# KiCad board oresat-adcs-card.kicad_pcb (continued)
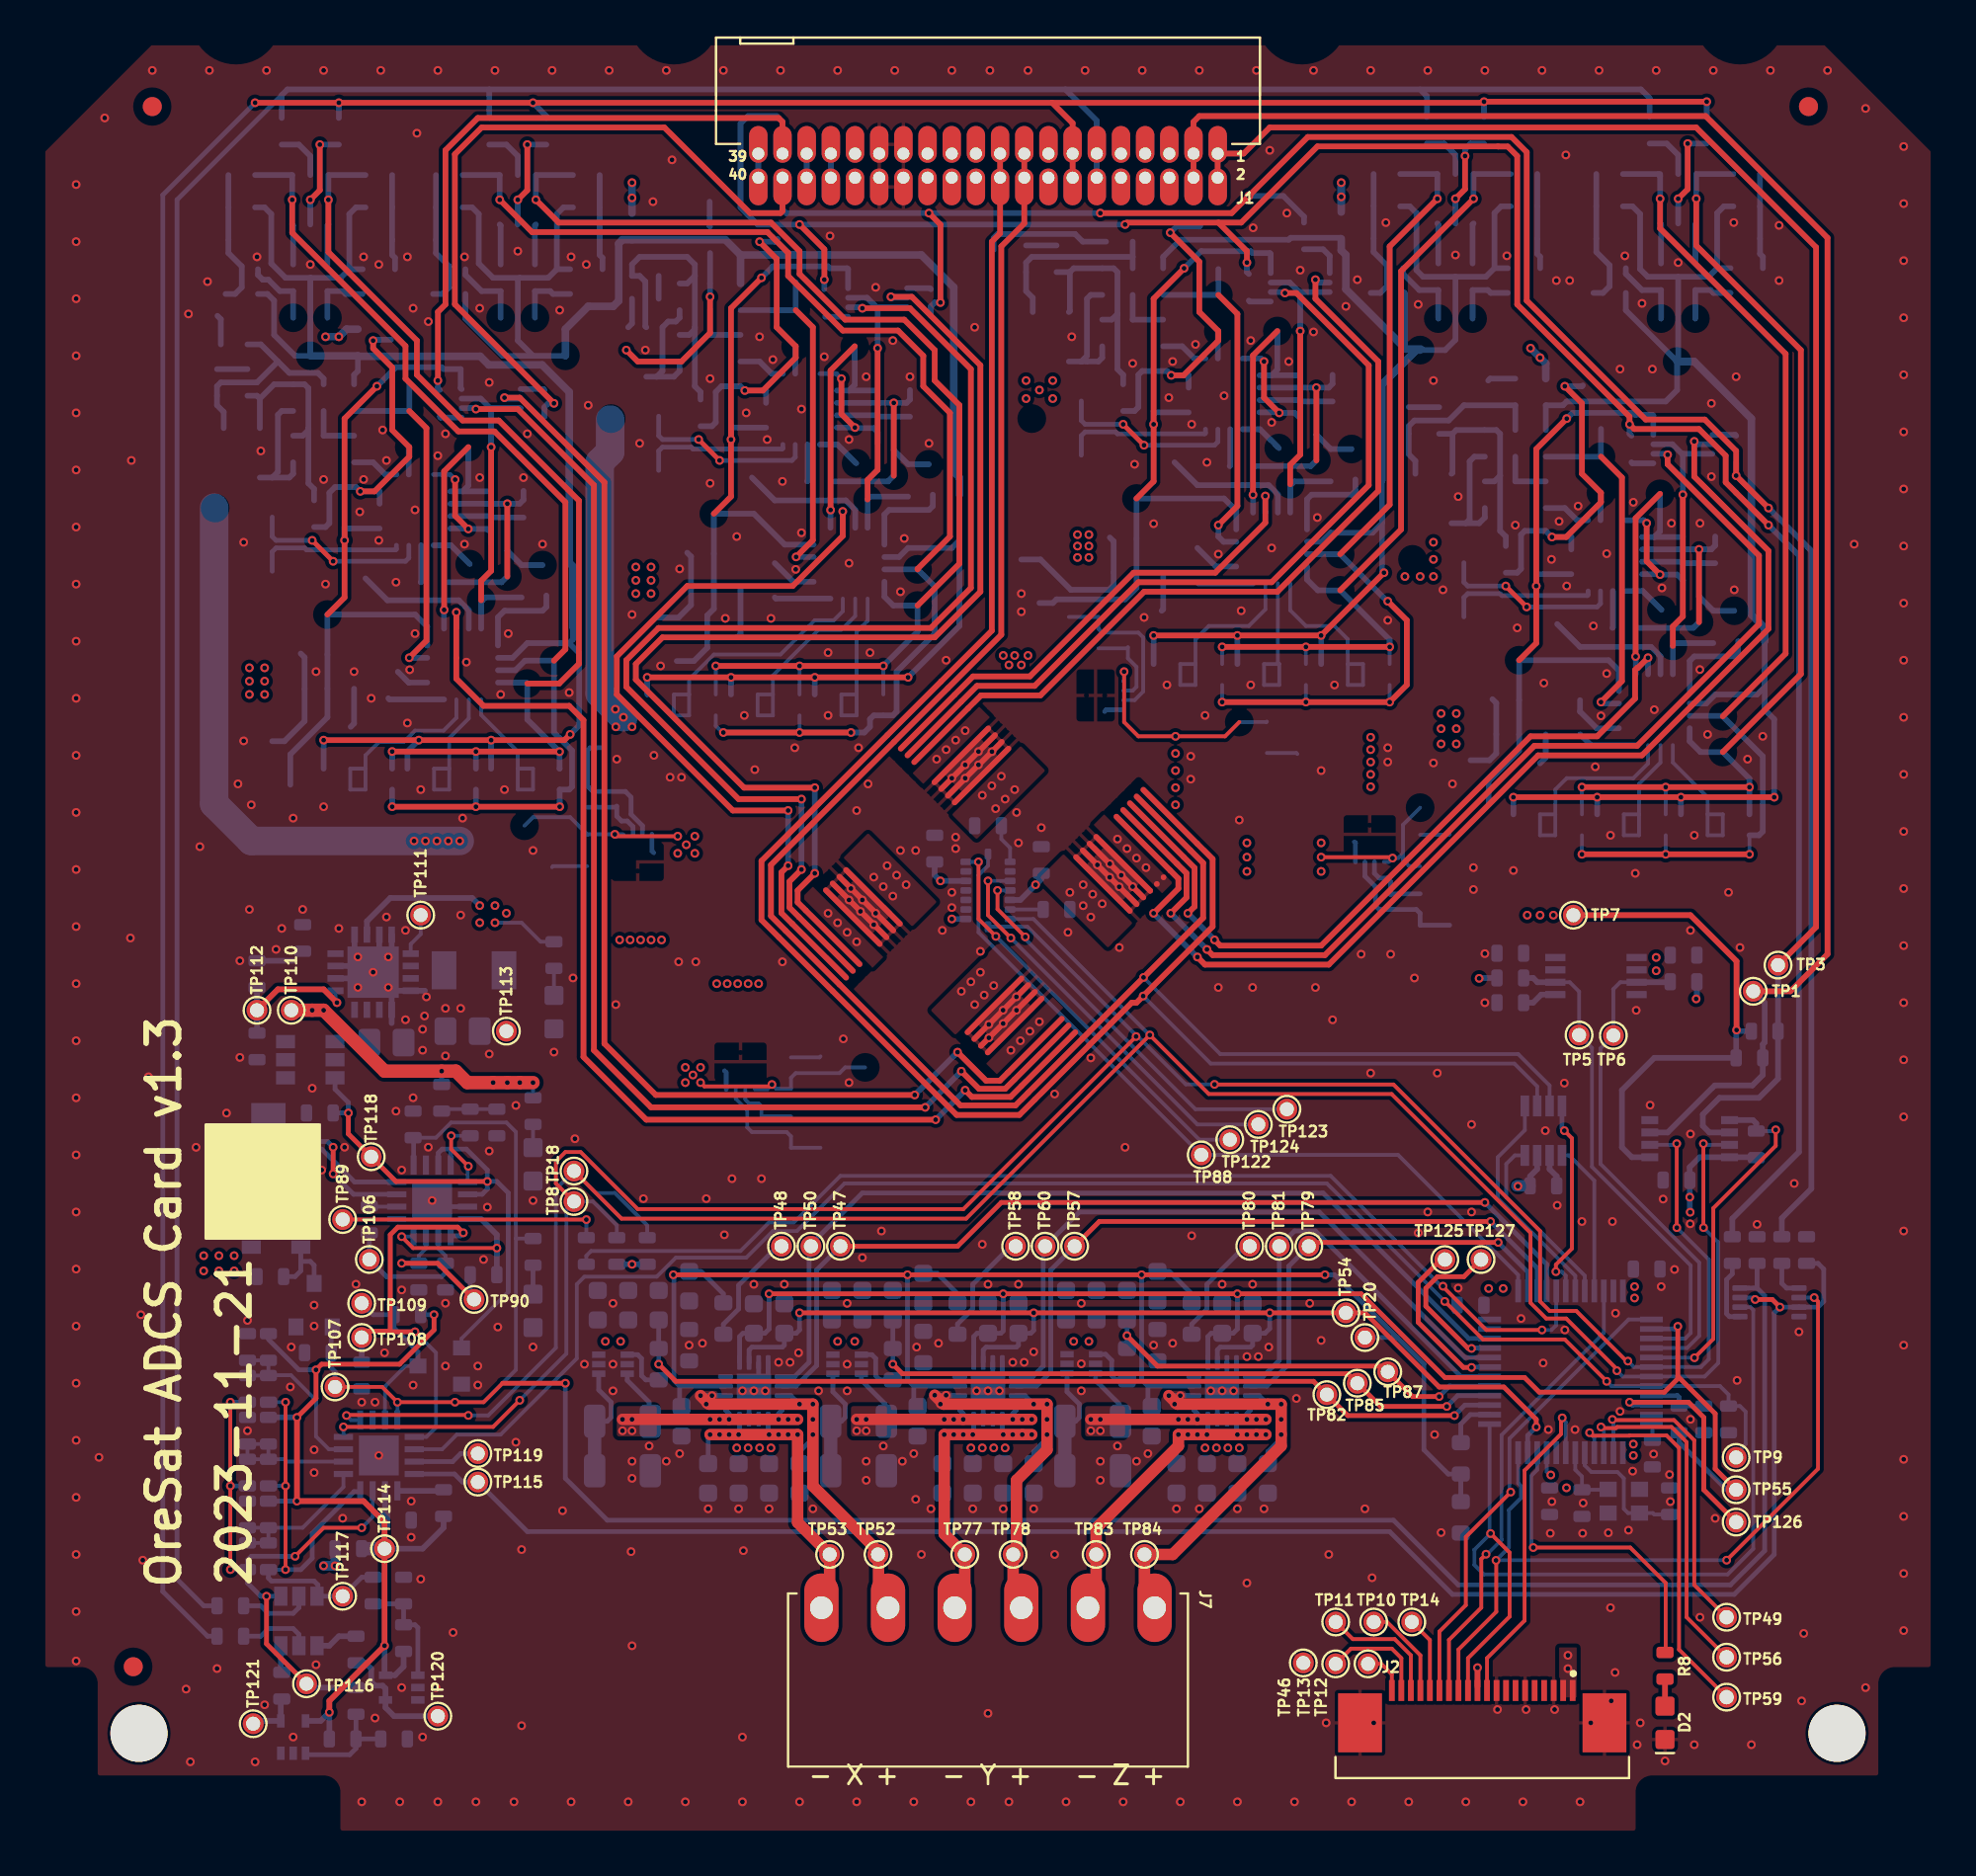
[diagram p0: board, top side]
## Routing (per net, layer and track width the routed paths; a pad name or vN(x,y) marks a point on that pad's centre or on a via; arc(x,y) is an arc through that point) (continued)
/Card Power Domain/AD0: length 9.3
  Bottom w0.2: R201.1 R204.1 R202.2 R203.2 R201.1 ; R201.1 13.9,16.3 16.04,18.44 U29.1
/Card Power Domain/AD1: length 7.8
  Bottom w0.2: R208.1 12.93,19.9 13.06,19.78 U29.2 ; R208.1 R206.2 R207.2 R205.1 R208.1
/Card Power Domain/AD2: length 10.5
  Bottom w0.2: U29.3 15.28,20.43 14.6,21.1 14.6,23 13.28,24.32 12.12,24.32 ; R212.1 R209.1 R211.2 R210.2 R212.1
  Bottom w0.25: 12.12,24.32 R212.1
/Card Power Domain/CB-RESET: length 21
  Top w0.25: 18.5,26.64 18.5,31.7 18.9,32.1 22.04,32.1 v1(22.34,31.8) ; 18.5,26.64 18.5,26.6 v1(19.8,26.6) ; 18.5,26.64 17.33,26.64 TP108.1
  Bottom w0.2: U29.9 20.4,21.08 20.9,21.58 20.9,25.5 v1(19.8,26.6)
  Bottom w0.25: v1(22.34,31.8) 22.18,31.64 21.68,31.64
  Bottom w0.3: R218.2 TP108.1
/Card Power Domain/CB_CTRL: length 29.6
  Top w0.25: v1(23.6,34.5) 18.8,34.5 TP118.1 16.3,37 v1(16.3,38.1)
  Bottom w0.2: Q29.1 22.24,26.25 24.7,28.7
  Bottom w0.25: Q26.3 15.6,39.35 16.3,38.65 v1(16.3,38.1) R223.1 ; U30.3 21.03,36 21.23,36.2 21.68,36.2 ; U30.6 23.33,33.83 23.6,34.1 v1(23.6,34.5) ; v1(23.6,34.5) 23.6,35.1 22.5,36.2 21.68,36.2 ; v1(23.6,34.5) 24.1,34.5 24.7,33.9 24.7,28.7 ; 21.68,36.2 21.68,35.36
/Card Power Domain/ON/~{OFF}: length 129
  Top w0.2: 24.4,23.9 23.4,22.9 v1(21.9,22.9) v1(18.88,22.9) 18.08,23.7 TP107.1
  Top w0.25: 24.4,23.9 v1(27.7,23.9)
  Bottom w0.2: 25.1,31.5 25.1,24.6 23.4,22.9 v1(21.9,22.9) ; 25.1,31.5 25.1,37.1 24.6,37.6 21.7,37.6 20.9,36.8 C48.1 ; 25.1,31.5 R267.2 ; U29.8 v1(18.88,22.9)
  Bottom w0.25: v1(27.7,23.9) 27.7,18.9 29.9,16.7 71.2,16.7 74.6,13.3 88.9,13.3 90.7,15.1 90.7,28.5 90.3,28.9 ; U30.1 19.73,36.78 C48.1 ; 90.3,28.9 C99.2 ; 90.3,28.9 U41.8 ; TP107.1 15.6,24.5 15.4,24.7 R216.2 15.4,26.81
  Bottom w0.3: Q28.1 15.4,26.81
/Card Power Domain/PEN-SCL-FILT: length 31.8
  Top w0.2: v1(13.5,14.8) 15,16.3 v1(17,16.3) ; v1(10.1,22.9) v1(10.1,18.5) v1(10.1,14.1)
  Top w0.25: v1(12,12.7) 12,10.2 TP116.1
  Bottom w0.2: v1(17,16.3) 17.58,16.88 U29.15
  Bottom w0.25: R210.1 v1(10.1,22.9) ; R202.1 11,14.6 11.2,14.8 v1(13.5,14.8) ; R202.1 11,13.41 11.7,12.71 11.72,12.71 11.72,12.7 v1(12,12.7) Q30.4 ; R202.1 v1(10.1,14.1) ; R206.1 v1(10.1,18.5)
  Bottom w0.3: TP116.1 14.3,7.9 R273.2
/Card Power Domain/PEN-SDA-FILT: length 25.1
  Top w0.2: v1(13,14.1) v1(13,18.5) v1(13,22.9)
  Bottom w0.2: R212.2 v1(13,22.9) ; v1(13,18.5) R208.2 ; v1(13,14.1) R204.2
  Bottom w0.25: R269.2 17,13.7 TP117.1 Q30.6 14.7,12.7 14.7,13.3 14.5,13.5 12.26,13.5 12.1,13.66 R204.2 ; U29.16 16.88,18.2 16.6,18.2 14.4,16 14.4,14.7 13.8,14.1 v1(13,14.1)
/Card Power Domain/~{FAULT}: length 9.1
  Bottom w0.2: Q29.3 19.3,24.8 18.23,23.73 U29.7
  Bottom w0.25: Q29.3 19.96,25.55 18.7,26.8 R226.1 17.6,27.5 TP109.1
/Magnetorquers/MT_REF: length 80.1
  Top w0.25: v1(67.6,29.6) v1(57.97,29.6) v1(45.67,29.6) v1(33.37,29.6)
  Bottom w0.25: 58.3,23.75 57.97,24.08 v1(57.97,29.6) ; 58.3,23.75 U22.11 ; 58.3,23.75 58.3,22.88 C65.1 ; v1(45.67,29.6) 45.67,24.08 46,23.75 ; C53.1 46,22.88 46,23.75 ; U16.11 46,23.75 ; R21.2 R20.1 74.07,19.13 72.8,20.4 72.8,24.9 71.4,26.3 ; 71.4,26.3 68.1,29.6 v1(67.6,29.6) ; 71.4,26.3 TP20.1 ; 33.7,23.75 33.4,24.05 33.4,29.57 v1(33.37,29.6) ; 33.7,23.75 U3.11 ; 33.7,23.75 33.7,22.78 C5.1
/Microcontroller/PA0: length 16.6
  Top w0.2: v1(78.54,15.26) 83.64,15.26 85.5,13.4 85.5,9.79 R8.2
  Bottom w0.2: U15.10 78.75,19.35 78.44,19.04 78.44,15.37 v1(78.54,15.26)
BOOT0: length 85.9
  Top w0.2: v1(73.89,28.2) 73.9,28.2 75.9,26.2 80.2,26.2 v1(82.4,24)
  Bottom w0.2: TP9.1 89.2,20.2 89.7,20.7 89.7,22.4 89.4,22.7 R7.2 88.8,23.3 88.35,23.75 U15.44 82.65,23.75 v1(82.4,24) ; U29.10 21.23,20.43 22,21.2 24.3,21.2 28.3,25.2 28.3,29.1 28.7,29.5 32.5,29.5 33.5,30.5 37.2,30.5 38.6,31.9 39.86,31.9 42.36,34.4 67.7,34.4 73.89,28.21 v1(73.89,28.2)
C3-UART-RX: length 156.7
  Top w0.3: v1(55.8,85.4) 62.7,85.4 66.7,89.4 77.4,89.4 78.2,88.6 78.2,80.8 84.45,74.55 87.55,74.55 89.2,72.9 v1(89.2,71.6) v1(90.9,69.9) ; 39.11,87.26 39.11,85.51 39,85.4 37.4,85.4 32.9,89.9 23.3,89.9 21.89,88.49 21.89,80.61 v1(27.1,75.4) ; v1(46.8,85.4) 47.4,84.8 v1(47.4,80.7)
  Bottom w0.3: v1(27.1,75.4) 26.8,75.4 26.6,75.2 26.6,74.7 ; R122.1 91.6,32.58 93.15,34.13 93.15,67.65 v1(90.9,69.9) ; v1(47.4,80.7) 47.1,80.7 46.9,80.5 46.9,80 ; v1(55.8,85.4) 39.3,85.4 39.11,85.6 39.11,87.26 ; 89.2,72.3 v1(89.2,71.6) ; v1(63.6,86.3) 65.41,86.3 66.5,85.21 66.5,84.9
C3-UART-TX: length 158.9
  Top w0.3: v1(21,76.6) 21.01,76.61 21.01,80.21 21.4,80.6 21.4,88.7 23.1,90.4 38.9,90.4 39.11,90.2 J1.37 ; v1(41.3,81.9) 41.31,81.91 41.31,83.49 v1(40,84.8) ; v1(90.9,69) 88.65,71.25 88.65,72.65 87.25,74.05 83.85,74.05 v1(83.6,74.3) 83.6,74.7 77.7,80.6 77.7,88.4 77.2,88.9 76.7,88.9 76.69,88.91 67.21,88.91 63.2,84.9 62,84.9 ; 62,84.9 63.5,83.4 v1(63.5,82.8) ; 62,84.9 57.2,84.9 v1(57.1,84.8)
  Bottom w0.3: 41.3,81.4 v1(41.3,81.9) ; v1(83.6,74.3) 83.6,73.8 83.7,73.7 ; v1(57.1,84.8) 37.8,84.8 36.9,85.7 36.9,90.1 37.3,90.5 38.8,90.5 39.11,90.2 J1.37 ; v1(21,76.6) 21,76.2 21.1,76.1 ; R123.1 89,32.55 92.5,36.05 92.5,67.4 v1(90.9,69) ; v1(63.5,82.8) 63.5,82.3 63.6,82.2
CAN1_H: length 1.3
  Bottom w0.3: 41.65,87.26 J1.33
CAN1_L: length 1.3
  Bottom w0.3: J1.35 40.38,87.26
CAN2_H: length 109.1
  Top w0.3: 57.71,54.74 61.2,51.24 61.2,48.36 v1(58.07,45.23) 51.34,38.5 48.46,38.5 42.09,44.86 38.5,48.46 38.5,51.14 50.6,63.24 50.6,83.65 51.81,84.86 51.81,88.53
  Bottom w0.2: v1(58.07,45.23) 62.1,41.2 77.75,41.2 79.4,39.55 U14.7
CAN2_L: length 109.9
  Top w0.3: 50.53,88.53 50.53,84.34 50.1,83.9 50.1,63.45 38,51.35 38,48.25 38.91,47.34 48.25,38 51.55,38 57.45,43.9 57.7,43.9 v1(58.05,44.25) 61.7,47.9 61.7,51.45 60.89,52.26 58.06,55.09
  Bottom w0.2: v1(58.05,44.25) 61.6,40.7 77.55,40.7 78.75,39.5 U14.6
CAN_RX: length 9.5
  Bottom w0.2: U14.4 77.58,35.88 77.12,35.42 77.12,33.68 81.25,29.55 U15.32
CAN_SHDN: length 12
  Bottom w0.2: U14.5 78.1,37.2 76.68,35.78 76.68,33.62 80.75,29.55 U15.31
CAN_TX: length 8
  Bottom w0.2: U14.1 80.43,35.88 81.75,34.55 U15.33
IMU_INT1: length 41
  Bottom w0.2: U13.16 49.9,51.1 49.4,50.6 49.4,47.6 TP88.1 71.44,35.9 77.75,29.59 U15.25
IMU_INT2: length 21.7
  Top w0.2: v1(49.4,51.3) 49.4,48.3 v1(50.31,47.39)
  Bottom w0.2: TP122.1 61,36.7 v1(50.31,47.39) ; U13.1 v1(49.4,51.3)
IMU_INT3: length 21.3
  Top w0.2: v1(50.4,49.8) 50.4,48.82 v1(51.86,47.36)
  Bottom w0.2: v1(51.86,47.36) 51.9,47.32 51.9,47.2 60.8,38.3 TP123.1 ; U13.12 v1(50.4,49.8)
IMU_INT4: length 21.7
  Top w0.2: v1(51.1,47.3) 49.9,48.5 v1(49.9,50.3)
  Bottom w0.2: U13.13 v1(49.9,50.3) ; TP124.1 60.9,37.5 v1(51.1,47.3)
MAG_PWR: length 78.7
  Top w0.3: v1(89.22,42.46) 89.22,46.08 86.8,48.5 TP7.1
  In1.Cu w0.5: TP7.1 78.2,48.5 78.2,60 76.4,61.8 76.4,71.2 62.9,84.7 60,84.7 59.5,85.2 59.5,87.18 59.43,87.26 J1.5
  Bottom w0.3: R6.1 89.2,42.4 R13.1 84.9,41 83.2,39.3 83.2,36.3 83.72,35.78 U2.1
  vias: v1(78.22,48.5) v1(78.9,48.5) v1(79.6,48.5)
MAG_READY: length 18.9
  Top w0.2: v1(87.01,25.24) 88,26.23 88,33.1 91.28,36.38 v1(91.28,37.22)
  Bottom w0.2: v1(87.01,25.24) 87,25.25 U15.41 ; R10.2 91.26,37.15
  Bottom w0.3: R10.2 90.26,37.55 90.08,37.73 U2.5
MAG_SCL: length 93.3
  Top w0.3: TP1.1 92.05,44.5 94,46.45 94,84.1 87.6,90.5 61,90.5 60.69,90.2 J1.3 60.69,87.26
  Bottom w0.3: U2.3 85.6,37.08 88.08,39.55 90.05,39.55 90.6,40.1 R13.2 90.6,41.71 90.7,41.81 90.7,43.9 TP1.1
MAG_SDA: length 87.3
  Top w0.3: TP3.1 93.4,47.88 93.4,83.6 87.1,89.9 64.7,89.9 63.33,88.53 J1.1 61.97,87.26
  Bottom w0.3: TP3.1 R6.2 91.4,39.9 90.4,38.9 88.33,38.9 87.45,38.03 87.45,37.43 87.8,37.08 U2.6
MAG_~{EN}: length 26.6
  Bottom w0.2: U1.3 83.11,44.98 82.74,44.6 82.75,44.59 TP6.1 82.08,41.5 82.08,35.43 87.26,30.24 87.26,26.39 86.62,25.75 U15.40
  Bottom w0.3: R3.1 85.71,44.98 U1.3
MAG_~{FAULT}: length 25.8
  Bottom w0.2: U15.39 86.52,26.25 86.81,26.54 86.81,30.09 81.62,35.28 81.62,41.53 TP5.1 80.95,44.49 80.46,44.98 U1.6
  Bottom w0.3: U1.6 78.76,44.98 78.54,45.2 R1.1
MT_EN: length 3.2
  Bottom w0.25: U15.45 86.11,23.25 86.2,23.16 R22.1 R129.2
MT_EN/~{FAULT}: length 81
  Top w0.25: TP55.1 88.1,19.4 88.1,22.3 86.14,24.26 ; v1(38.4,28.6) v1(50.7,28.6) v1(63,28.6) 69.5,28.6 73.9,24.2 78.08,24.2 78.85,23.43 85.43,23.43 86.14,24.14 86.14,24.26 ; 86.14,24.26 v1(86.14,26.89)
  Bottom w0.25: v1(86.14,26.89) 86,26.75 U15.38 ; v1(50.7,28.6) 50.7,26.65 50.58,26.53 C77.1 49.33,26.53 49.15,26.35 U16.13 ; v1(38.4,28.6) 38.4,26.75 38.18,26.53 C17.1 37.03,26.53 36.85,26.35 U3.13 ; U22.13 61.45,26.35 61.62,26.53 C66.1 62.78,26.53 63,26.75 v1(63,28.6) ; R22.2 86.2,20.8 88.7,18.3 TP55.1
MT_ILIM: length 2.7
  Bottom w0.25: U15.14 75.24,22.25 74.74,21.75 R20.2
MT_STBY/RST: length 58.1
  Top w0.25: v1(40,27.6) v1(52.3,27.6) v1(64.7,27.6) TP54.1 69.7,27.6 73.6,23.7 77,23.7 78.7,22 v1(78.7,21.6)
  Bottom w0.25: U16.14 49.65,25.65 49.8,25.8 51.4,25.8 51.5,25.9 C55.1 52.15,26.53 52.3,26.68 v1(52.3,27.6) ; U3.14 37.35,25.65 37.5,25.8 39.1,25.8 39.2,25.9 C18.1 39.83,26.53 40,26.7 v1(40,27.6) ; v1(64.7,27.6) 64.7,26.78 64.45,26.53 C67.1 63.8,25.9 63.7,25.8 62.1,25.8 61.95,25.65 U22.14 ; v1(78.7,21.6) 78.25,21.15 U15.11
MT_X_ISENSE: length 47.3
  Top w0.25: v1(74.4,22.2) 68.8,22.2 67,24 33.5,24 v1(32.6,24.9)
  Bottom w0.25: v1(74.4,22.2) 74.95,22.75 U15.15 ; v1(32.6,24.9) R130.2 C100.1
MT_X_OUT_A: length 24.9
  Top w0.6: v1(34.8,23.25) 35.25,22.8 v1(40.7,22.8) 40.7,18.5 44.12,15.08 TP52.1 44.15,14.87 44.15,12.6 J7.5
  Bottom w0.25: v1(34.8,23.25) U3.10 ; C40.1 40,20.3 40.7,21 v1(40.7,21.2) ; v1(40,22.8) 39.55,23.25 U3.3
  Bottom w0.4: v1(40.7,21.2) v1(40.7,22) v1(40.7,22.8) v1(40,22.8)
  vias: v1(35.1,22.8) v1(35.4,23.25)
MT_X_OUT_B: length 20.8
  Top w0.6: v1(35.3,21.2) v1(39.9,21.2) 39.9,16.58 TP53.1 41.58,12.53 J7.6
  Bottom w0.25: v1(38.4,21.2) 38.35,21.25 U3.5 ; v1(35.3,21.2) 35.2,21.1 C27.1 ; v1(36.8,21.2) 36.85,21.25 U3.8
  Bottom w0.4: v1(38.4,21.2) v1(39.9,21.2) ; v1(36.8,21.2) v1(35.3,21.2)
  vias: v1(35.8,21.2) v1(36.3,21.2) v1(38.9,21.2) v1(39.4,21.2)
MT_X_PHASE: length 47.9
  Bottom w0.25: U3.1 39.75,24.25 40.5,25 40.5,31 TP50.1 40.6,31.2 43.3,33.9 67.5,33.9 75.15,26.25 U15.22
MT_X_PWM: length 49.8
  Top w0.25: TP47.1 48.3,31.1 50.6,33.4 v1(76,33.4)
  Bottom w0.25: v1(76,33.4) 79.25,30.15 U15.28 ; U3.2 39.82,23.75 40.9,24.83 40.9,29.85 TP47.1
MT_Y_ISENSE: length 34.8
  Top w0.25: v1(44.9,24.9) 45.4,24.4 68.8,24.4 70.52,22.68 v1(74,22.68)
  Bottom w0.25: v1(44.9,24.9) R131.2 C101.1 ; U15.16 74.57,23.25 v1(74,22.68)
MT_Y_OUT_A: length 24.1
  Top w0.6: v1(47.1,23.27) 47.57,22.8 v1(53,22.8) 53,20.4 51.4,18.8 51.4,14.9 51.22,14.72 51.22,12.53 J7.3
  Bottom w0.25: v1(53,21.2) 53,21 52.3,20.3 C61.1 ; U16.3 51.85,23.25 v1(52.3,22.8) ; 47.25,23.25 U16.10
  Bottom w0.4: v1(53,21.2) v1(53,22) v1(53,22.8) v1(52.3,22.8)
  vias: v1(47.4,22.8) v1(47.7,23.27)
MT_Y_OUT_B: length 20.6
  Top w0.6: J7.4 48.68,12.63 TP77.1 47.6,15.98 v1(47.6,21.2) v1(49.1,21.2) v1(51.7,21.2) v1(52.2,21.2)
  Bottom w0.25: U16.5 50.65,21.25 v1(50.7,21.2) ; C59.1 47.5,21.1 v1(47.6,21.2) ; v1(49.1,21.2) 49.15,21.25 U16.8
  Bottom w0.4: v1(49.1,21.2) v1(47.6,21.2) ; v1(52.2,21.2) v1(51.7,21.2) v1(50.7,21.2)
  vias: v1(48.1,21.2) v1(48.6,21.2) v1(51.2,21.2)
MT_Y_PHASE: length 35.2
  Bottom w0.25: U15.20 74.95,25.25 67.3,32.9 54.7,32.9 TP60.1 52.8,31 52.8,24.8 52.25,24.25 U16.1
MT_Y_PWM: length 36.3
  Top w0.25: TP57.1 55.75,32.4 v1(76.3,32.4)
  Bottom w0.25: v1(76.3,32.4) 78.75,29.95 U15.27 ; U16.2 52.45,23.75 53.2,24.5 53.2,29.85 TP57.1
MT_Z_ISENSE: length 22.1
  Top w0.25: v1(57.2,26.4) 58.8,24.8 70.6,24.8 72.2,23.2 v1(73.6,23.2)
  Bottom w0.25: v1(73.6,23.2) 74.15,23.75 U15.17 ; C102.1 v1(57.2,26.4) R132.2
MT_Z_OUT_A: length 27.4
  Top w0.6: J7.1 58.12,12.63 TP84.1 59.6,14.9 65.3,20.6 v1(65.3,21.2) v1(65.3,22.8) v1(64.6,22.8) 59.85,22.8 v1(59.4,23.25)
  Bottom w0.25: v1(59.4,23.25) U22.10 ; v1(65.3,21.2) 65.3,21 64.6,20.3 C73.1 ; U22.3 64.15,23.25 v1(64.6,22.8)
  Bottom w0.4: v1(65.3,21.2) v1(65.3,22) v1(65.3,22.8) v1(64.6,22.8)
  vias: v1(59.7,22.8) v1(60,23.25)
MT_Z_OUT_B: length 21.9
  Top w0.6: J7.2 55.58,12.53 55.58,16.28 59.9,20.6 v1(59.9,21.2) v1(61.4,21.2) v1(64,21.2) v1(64.5,21.2)
  Bottom w0.25: v1(61.4,21.2) 61.45,21.25 U22.8 ; U22.5 62.95,21.25 v1(63,21.2) ; C71.1 59.8,21.1 v1(59.9,21.2)
  Bottom w0.4: v1(63,21.2) v1(64,21.2) v1(64.5,21.2) ; v1(61.4,21.2) v1(59.9,21.2)
  vias: v1(60.4,21.2) v1(60.9,21.2) v1(63.5,21.2)
MT_Z_PHASE: length 22.4
  Bottom w0.25: U15.18 74.75,24.25 67.1,31.9 66,31.9 TP81.1 65.2,25.1 64.35,24.25 U22.1
MT_Z_PWM: length 22.3
  Top w0.25: TP79.1 66.95,31.3 v1(76.7,31.3)
  Bottom w0.25: U15.26 78.25,29.75 v1(76.7,31.3) ; U22.2 64.55,23.75 65.7,24.9 65.7,30.05 TP79.1
NRESET: length 17.7
  Top w0.2: 76.11,7.95 76.11,9.45 78.09,11.42 78.09,19.31 80,21.23 80,22.1
  Bottom w0.2: 80,22.1 80.25,21.85 U15.7
  vias: v1(80.06,22.08)
OPD_PWR: length 175.6
  In1.Cu w0.5: 54.83,91.73 63.77,91.73 68.46,87.04 68.46,86.2 70.5,86.2 v1(78.9,77.8) ; 54.83,91.73 34.1,91.73 31.2,88.83 31.2,80.9 29.2,78.9 19.9,78.9 19.4,79.4 17.17,79.4 16.67,78.9 6,78.9 3.3,76.2 3.3,27.8 8.4,22.7 8.4,18.71 11.21,15.9 13.3,15.9 14.9,14.3 v1(15.6,14.3) ; 54.83,91.73 53.08,89.97 53.08,87.26
  Bottom w0.4: 68.46,85.46 v1(68.46,86.26) v1(68.46,87) ; v1(15.1,78.9) v1(15.8,78.9) 16.2,79.3 16.8,79.3 ; 79.2,77.26 79.2,77.5 v1(78.4,78.3) ; 31.2,85.4 v1(31.2,86.2) v1(31.2,87) ; 79.2,77.2 79.2,76.7
  Bottom w0.5: R200.1 v1(15.6,14.3) v1(15,14.3)
OPD_SCL: length 168.2
  Top w0.3: 53.27,91.2 54.34,90.13 J1.13 54.34,87.26 ; 53.27,91.2 v1(26,91.2) v1(15.8,91.2) v1(11.4,91.2) ; 53.27,91.2 75.9,91.2 v1(75.96,91.26) v1(87.66,91.26)
  Bottom w0.25: v1(11.4,91.2) 6.55,86.35 6.55,12.95 8.9,10.6 R271.1
  Bottom w0.3: v1(15.8,91.2) 15.8,90.4 ; 26.7,90.4 26.7,90.5 v1(26,91.2) ; v1(75.96,91.26) 75.96,90.46 ; v1(87.66,91.26) 87.66,90.46
OPD_SDA: length 165.7
  Bottom w0.25: 12.8,91.6 7.3,86.1 7.3,13.6 8.7,12.2 R213.1
  Bottom w0.3: 23.7,91.9 53.97,91.9 ; 23.7,91.9 13.1,91.9 12.8,91.6 12.8,90.4 ; 23.7,91.9 23.7,90.4 ; 53.97,91.9 84.2,91.9 84.66,91.45 84.66,90.46 ; 53.97,91.9 55.61,90.26 55.61,88.54 J1.11 55.62,87.26 ; 72.6,91.9 72.96,91.55 72.96,90.46
PA2/USART2_TX: length 42.5
  Top w0.2: v1(76.59,14.59) 76.6,14.58 76.6,11.89 74.61,9.9 74.61,7.95 ; v1(93.3,28.4) 93.5,28.2 93.5,19.4 v1(88.7,14.6)
  Bottom w0.2: v1(93.3,28.4) U41.2 ; v1(88.7,14.6) 76.6,14.6 v1(76.59,14.59) 77.26,15.26 77.26,17.23 77.9,17.87 77.9,18.5 77.75,18.65 U15.12
PA3/USART2_RX: length 45.9
  Top w0.2: v1(76.3,16) 77.3,15 77.3,11.64 75.11,9.45 75.11,7.95
  Bottom w0.2: U15.13 76.25,16.05 v1(76.3,16) 75.45,15.15 75.45,14.35 75.95,13.85 88.75,13.85 90.1,15.2 90.1,27.75 89.95,27.9 U41.6
PA8/POUTPROT: length 58.4
  Top w0.2: v1(73.8,29) 73.8,28.98 76.08,26.7 79,26.7 v1(79,26.7)
  Bottom w0.2: R9.2 28.8,30.6 29.05,30.85 36.9,30.85 38.4,32.35 39.7,32.35 42.15,34.8 67.9,34.8 73.7,29 v1(73.8,29) ; U15.29 79.75,26.95 79.5,26.7 v1(79,26.7)
PA9/CAN_SILENT: length 10.7
  Top w0.2: v1(79.73,29.76) 79.73,30.13 80.58,30.98 80.58,36.78 v1(80.18,37.18)
  Bottom w0.2: U15.30 80.25,29.55 80.04,29.76 v1(79.73,29.76)
  Bottom w0.25: v1(80.18,37.18) 80.05,37.3 U14.8
PB6/SCL: length 126.9
  Top w0.2: v1(61.8,39.61) 61.81,39.6 71.2,39.6 78.9,31.9 78.9,28.2 79.4,27.7 80.8,27.7 83.44,25.06 v1(83.51,25.06) ; v1(16.04,21.6) 23.9,21.6 v1(25.3,23) ; v1(86.08,36.49) 86.08,32.08 v1(86.09,32.08) ; v1(57.68,42.12) 48.61,33.05 31.5,33.05 28.5,36.05 27.7,36.05 27.2,35.55 27.2,34.4 TP8.1
  Bottom w0.2: 86.06,36.43 U2.2 ; U13.8 51.97,47.89 57.68,42.18 v1(57.68,42.12) 57.78,42.12 60.29,39.61 v1(61.8,39.61) ; R11.1 30.4,32.2 29.15,33.45 TP8.1 27.75,33.05 27.75,25.45 v1(25.3,23) ; 86.06,32.1 87.76,30.4 87.76,25.16 87.35,24.75 U15.42 83.83,24.75 v1(83.51,25.06) ; v1(16.04,21.6) U29.4
PB7/SDA: length 126.9
  Top w0.2: v1(87.48,36.49) 87.48,32.08 v1(87.49,32.08) ; v1(22.6,22.21) 22.46,22.21 22.46,22.23 16.23,22.23 v1(16.2,22.2) ; TP18.1 30.65,32.55 48.75,32.55 v1(58.4,42.2) 61.5,39.1 71.1,39.1 78.4,31.8 78.4,28.12 79.22,27.3 80.28,27.3 82.94,24.64 v1(82.94,24.56)
  Bottom w0.2: v1(82.94,24.56) 83.24,24.25 U15.43 87.55,24.25 88.26,24.96 88.26,31.3 v1(87.49,32.08) ; v1(16.2,22.2) 16.44,21.96 U29.5 ; R12.1 32,32.2 30.3,33.9 29.3,33.9 TP18.1 27.2,34.1 27.2,25.76 23.65,22.21 v1(22.6,22.21) ; U13.9 52.29,48.3 58.39,42.2 v1(58.4,42.2) ; 87.46,36.43 U2.7
POUT: length 16.6
  Top w0.2: v1(28.8,32.5) 28.8,32.5 TP89.1
  Bottom w0.2: TP89.1 18.82,32.5 U30.13 ; R9.1 v1(28.8,32.5)
SWCLK: length 24.6
  Top w0.2: v1(77.36,18.18) 75,15.82 75,12.24 73.61,10.85 73.61,7.95
  Bottom w0.2: U15.37 83.55,27.25 77.29,20.99 77.29,18.2
SWDIO: length 24.2
  Top w0.2: v1(76.06,14.91) 75.81,14.66 75.81,12.1 74.11,10.41 74.11,7.95
  Bottom w0.2: U15.34 82.25,26.55 76.88,21.18 76.88,15.67 76.12,14.91 v1(76.06,14.91)
VPD: length 53.4
  Top w0.25: v1(20.8,27.5) 20.8,26.7 19,24.9 14.9,24.9 v1(14.6,24.6) 14.6,23.1 v1(13.6,22.1)
  Top w0.3: v1(15.3,6.6) 15.3,7.2 v1(18.2,10.1) TP114.1 18.2,16.6 17.1,17.7 v1(13.6,17.7) v1(13.6,22.1)
  Bottom w0.2: R209.2 12.1,26.2
  Bottom w0.25: v1(14.6,24.6) 13.7,24.6 12.1,26.2 ; v1(20.8,27.5) R226.2 ; v1(13.6,17.7) R201.2
  Bottom w0.3: U29.14 18.23,16.73 C43.2 TP114.1 20.2,15.2 21.3,16.3 R214.2 ; v1(18.2,10.1) 18.2,8.6 U33.5 18.75,8.55 19.2,9 R270.2 ; R205.2 v1(13.6,22.1) ; U32.5 14.85,6.15 v1(15.3,6.6) R274.2 ; R200.2 17.2,15.2
  Bottom w0.7: 17.2,15.2 TP114.1
~{SD}: length 1.3
  Bottom w0.3: 37.84,87.26 J1.39
Net-(C19-Pad1): length 2.8
  Bottom w0.25: C19.1 34.83,29.78 36,28.6 R17.2
Net-(C44-Pad1): length 2.9
  Bottom w0.2: R224.2 R225.2 21.3,38.3 C44.1
Net-(C56-Pad1): length 2.7
  Bottom w0.25: R23.2 48.3,28.6 47.22,29.68 C56.1
Net-(C68-Pad1): length 2.8
  Bottom w0.25: C68.1 59.43,29.78 60.6,28.6 R29.2
Net-(D2-PadA): length 1.4
  Top w0.3: R8.1 D2.A
Net-(D16-PadA): length 1.2
  Bottom w0.2: D16.A R198.1
Net-(D17-PadA): length 1.4
  Bottom w0.2: R199.1 D17.A
Net-(D18-PadA): length 1.5
  Bottom w0.25: R267.1 D18.A
Net-(J2-DEBUG-0): length 4.8
  Top w0.2: TP10.1 70.86,11.35 72.61,9.6 72.61,7.95
Net-(J2-DEBUG-1): length 6.3
  Top w0.2: TP11.1 69.06,10.45 71.26,10.45 72.11,9.6 72.11,7.95
Net-(J2-DEBUG-2): length 5.5
  Top w0.2: TP12.1 68.96,9.95 71.11,9.95 71.61,9.45 71.61,7.95
Net-(J2-DEBUG-3): length 2.1
  Top w0.2: 71.11,7.95 71.11,8.6 70.56,9.15 TP13.1
Net-(J2-SWO): length 3.8
  Top w0.2: 73.11,7.95 73.11,10.4 TP14.1
Net-(Q26-S): length 9.8
  Top w0.25: v1(15.5,34.9) v1(15.5,36.3)
  Bottom w0.25: v1(15.5,36.3) 15.2,36.6 12.3,36.6 12.1,36.8 R217.2 ; U30.15 16.58,33.83 v1(15.5,34.9)
Net-(Q27-G): length 4
  Bottom w0.25: 13.8,30.3 14.3,30.3 14.5,30.1 Q28.3 ; 13.8,30.3 Q27.3 ; 13.8,30.3 13.8,29.8 13.5,29.5 R215.1
Net-(Q30A-G): length 2.3
  Bottom w0.3: R268.2 15.8,10.6 15.3,10.1 Q30.1
Net-(Q30A-S): length 3.8
  Bottom w0.25: Q30.5 13.7,12.1 13.4,11.8 12.1,11.8 11.7,12.2 R213.2
Net-(Q30B-G): length 1.4
  Bottom w0.3: R272.2 12.75,8.75 Q30.3
Net-(Q30B-S): length 3.8
  Bottom w0.25: R271.2 11.7,10.6 12.1,11 13.4,11 13.7,10.7 Q30.2
Net-(R130-Pad1): length 2.7
  Bottom w0.25: R130.1 31.93,24.08 31.7,24.3 31.7,25.2 31.5,25.4 U4.1
Net-(R131-Pad1): length 2.7
  Bottom w0.25: R131.1 44.22,24.08 44,24.3 44,25.2 43.8,25.4 U21.1
Net-(R132-Pad1): length 2.7
  Bottom w0.25: R132.1 56.62,24.08 56.4,24.3 56.4,25.1 56.08,25.42 U23.1
Net-(U1-SET): length 1.8
  Bottom w0.3: R2.2 78.54,43.9 78.96,44.33 U1.5
Net-(U3-SENSEA): length 15.3
  Top w0.6: v1(39.9,22) v1(36.3,22) v1(30.7,22)
  Bottom w0.25: v1(38.9,22) 38.9,22.3 39.09,22.49 U3.4 ; U3.9 36.11,22.49 36.3,22.3 v1(36.3,22) ; U4.3 30.95,24.05 32.1,22.9 32.1,22.41
  Bottom w0.4: v1(38.9,22) v1(39.9,22) ; v1(36.3,22) v1(35.3,22)
  Bottom w0.6: 32.09,21.4 32.1,21.39
  vias: v1(30.7,21.4) v1(31.2,22) v1(31.2,21.4) v1(35.8,22) v1(39.4,22)
Net-(U3-TOFF): length 6
  Bottom w0.25: TP48.1 38.85,31.1 36.8,29.05 36.8,27.8 36,27 R17.1
Net-(U4--): length 6.1
  Bottom w0.25: R15.1 29.9,21.9 30.1,22.1 30.1,22.9 29.45,23.55 U4.4
  Bottom w0.7: R133.2 R15.1
Net-(U13-SDO1): length 2.1
  Bottom w0.2: U13.15 51.06,52.04 50.6,52.5 R5.2
Net-(U13-SDO2): length 1.7
  Bottom w0.2: U13.10 R4.2
Net-(U15-PB1): length 8.7
  Top w0.25: TP125.1 73.7,30.4 72.5,29.2 72.5,27.1 74.87,24.73 v1(75.3,24.73)
  Bottom w0.25: U15.19 75.32,24.75 v1(75.3,24.73)
Net-(U15-PB9): length 11.6
  Top w0.25: v1(83.6,22.9) 86.7,22.9 87.5,22.1 87.5,18.3 TP126.1
  Bottom w0.25: U15.46 83.75,22.75 v1(83.6,22.9)
Net-(U15-PB10): length 8.7
  Top w0.25: TP127.1 74.9,29.5 73.51,29.5 72.9,28.89 72.9,27.95 75.12,25.73 v1(75.3,25.73)
  Bottom w0.25: v1(75.3,25.73) 75.32,25.75 U15.21
Net-(U15-PC13): length 16.5
  Top w0.2: v1(82.7,22) 82.73,21.96 85.94,21.96 87,20.9 87,13.3 TP49.1
  Bottom w0.2: U15.2 82.75,21.94 v1(82.7,22)
Net-(U15-PC14-OSC32_IN): length 18.5
  Top w0.2: v1(82.1,21.6) 82.16,21.54 82.89,21.54 82.94,21.6 85.8,21.6 86.6,20.8 86.6,11.6 TP56.1
  Bottom w0.2: v1(82.1,21.6) 82.25,21.45 U15.3
Net-(U15-PC15-OSC32_OUT): length 20.3
  Top w0.2: v1(81.5,21.3) 81.66,21.14 83.6,21.14 83.61,21.16 85.54,21.16 86.2,20.5 86.2,9.9 TP59.1
  Bottom w0.2: v1(81.5,21.3) 81.75,21.05 U15.4
Net-(U15-PF0-OSC_IN): length 7.1
  Bottom w0.2: U15.5 81.25,19.58 81.6,19.23 82.97,19.23 83.3,18.9 83.3,17.3 83.53,17.08 X2.1 84.83,17.08 84.9,17 C36.1
Net-(U15-PF1-OSC_OUT): length 3.5
  Bottom w0.2: U15.6 80.75,19.35 81.1,19 C30.1 82.45,18.3 X2.3
Net-(U16-SENSEA): length 15.5
  Top w0.6: v1(52.2,22) v1(48.6,22) v1(43,22)
  Bottom w0.25: 44.5,22.41 44.5,22.8 43.25,24.05 U21.3 ; v1(48.6,22) 48.6,22.3 48.41,22.49 U16.9 ; U16.4 51.39,22.49 51.2,22.3 v1(51.2,22)
  Bottom w0.4: v1(51.2,22) v1(52.2,22) ; v1(48.6,22) v1(47.6,22)
  Bottom w0.6: 44.4,21.39 44.41,21.4 44.49,21.4
  vias: v1(43,21.4) v1(43.5,22) v1(43.5,21.4) v1(48.1,22) v1(51.7,22)
Net-(U16-TOFF): length 6
  Bottom w0.25: R23.1 48.3,27.01 49.1,27.81 49.1,29.1 51.1,31.1 TP58.1
Net-(U21--): length 6
  Bottom w0.25: U21.4 41.75,23.45 42.4,22.8 42.4,22.1 42.2,21.9 R16.1
  Bottom w0.7: R134.2 R16.1
Net-(U22-SENSEA): length 15.5
  Top w0.6: v1(55.3,22) v1(60.9,22) v1(64.5,22)
  Bottom w0.25: U23.3 55.55,24.05 55.7,23.9 ; v1(60.9,22) 60.9,22.3 60.71,22.49 U22.9 ; v1(63.5,22) 63.5,22.3 63.69,22.49 U22.4 ; 55.7,23.9 56.8,22.8 56.8,22.41
  Bottom w0.4: v1(60.9,22) v1(59.9,22) ; v1(63.5,22) v1(64.5,22)
  Bottom w0.6: 56.7,21.39 56.71,21.4 56.79,21.4
  vias: v1(55.3,21.4) v1(55.8,22) v1(55.8,21.4) v1(60.4,22) v1(64,22)
Net-(U22-TOFF): length 6
  Bottom w0.25: R29.1 60.6,27 61.4,27.8 61.4,29.1 63.4,31.1 TP80.1
Net-(U23--): length 6
  Bottom w0.25: R25.1 54.5,21.9 54.7,22.1 54.7,22.8 54.05,23.45 U23.4
  Bottom w0.7: R135.2 R25.1
Net-(U29-IO6): length 3.5
  Bottom w0.25: U29.11 21.78,19.78 22.2,20.2 TP119.1
Net-(U29-IO7): length 95.5
  Top w0.25: v1(90.2,28.3) 91.1,28.3 v1(91.5,27.9)
  Bottom w0.2: v1(90.2,28.3) 90.1,28.4 U41.7
  Bottom w0.25: R124.2 93.5,30.2 93.8,29.9 93.8,28.2 93.5,27.9 U41.3 v1(91.5,27.9) 91.2,27.6 91.2,14.9 89.1,12.8 74.3,12.8 71,16.1 25.7,16.1 TP115.1 22.3,18.7 21.88,19.13 U29.12
Net-(U29-~{RESET}): length 2.4
  Bottom w0.3: R214.1 21.24,18.24 U29.13
Net-(U30-CIN1+): length 8
  Bottom w0.2: U30.10 21.03,30.98 21.4,30.6 R220.2
  Bottom w0.25: R219.1 TP106.1 18.3,29.5 21.2,29.5 21.4,29.7 R220.2
Net-(U30-CIN1-): length 8.5
  Top w0.25: TP90.1 21,30.2 v1(19.1,30.2)
  Bottom w0.2: R222.2 20,30.6 20.38,30.98 U30.11
  Bottom w0.25: R221.1 22.7,28.5 TP90.1 ; R222.2 v1(19.1,30.2)
Net-(U30-CIN2+): length 9.9
  Top w0.2: v1(19.1,31.6) 19.7,31 v1(24.1,31)
  Bottom w0.2: U30.12 19.73,31.6 v1(19.1,31.6)
  Bottom w0.3: R221.2 v1(24.1,31) 24.1,31.7 23.28,32.53 U30.8
Net-(U30-INHIBIT): length 3.8
  Top w0.2: v1(21.7,36.9) 21.7,36.2 v1(22.6,35.3)
  Bottom w0.2: v1(21.7,36.9) R225.1 ; U30.5 22.56,35.26 v1(22.6,35.3)
Net-(U30-IOUT): length 1.5
  Bottom w0.2: R219.2 17.41,33.18 U30.14
Net-(U30-RS+): length 8.6
  Bottom w0.25: U30.16 16.62,34.48 14.9,36.2 12.3,36.2 12.1,36 R217.1
Net-(U31-PG): length 2.2
  Bottom w0.2: TP111.1 20.1,47.5 19.58,46.98 U31.13
Net-(U31-SYNC): length 8
  Top w0.3: TP112.1 12.6,44.6 15,44.6 v1(15.7,43.9)
  Bottom w0.2: v1(15.7,43.9) 15.62,43.98 15.62,44.53
  Bottom w0.3: R228.2 TP112.1 R227.1
Net-(U32-INP): length 5.9
  Bottom w0.25: R274.1 R273.1 ; R274.1 16.7,4.7 16.37,4.38 14.13,4.38 U32.1 ; R274.1 C50.1
Net-(U32-OUT): length 2.7
  Bottom w0.3: TP121.1 11.45,6.15 U32.4 12.75,7.25 R272.1
Net-(U33-INP): length 6
  Bottom w0.25: R269.1 C49.1 R270.1 19.8,11.2 19.95,11.05 U33.1
Net-(U33-OUT): length 6.5
  Bottom w0.3: TP120.1 18.7,6.4 18.25,6.85 U33.4 18.25,7.85 18.1,8 17.7,8 17.5,8.2 17.5,8.9 17.2,9.2 R268.1
Net-(U41-NO1): length 2.1
  Bottom w0.25: R122.2 91.6,29.15 91.85,28.9 U41.1
Net-(U41-NO2): length 3.5
  Bottom w0.25: U41.5 88.85,27.4 88.7,27.55 88.7,29.35 89,29.65 R123.2

## Copper pours and planes (outline as drawn; the poured copper is in the pictures)
3.3V on Bottom: 86.09,45.35 83.39,45.35 83.39,46.95 86.09,46.95
3.3V on Bottom: 84.16,28.04 83.04,28.04 83.04,30.46 84.16,30.46
3.3V on Bottom: 28.8,27.8 31.6,27.8 31.6,25.8 30.2,25.8 30.2,25.2 28.8,25.2
3.3V on Bottom: 53.4,27.8 56.2,27.8 56.2,25.8 54.8,25.8 54.8,25.2 53.4,25.2
3.3V on Bottom: 85.36,20.54 84.43,20.54 84.16,19.97 84.16,19.74 83.04,19.74 83.04,21.96 85.36,21.96
3.3V on Bottom: 77.26,27.37 76.93,27.04 75.54,27.04 75.54,29.16 77.26,29.16
3.3V on Bottom: 25.2,41.6 22.7,41.6 22.7,49.6 25.2,49.6
3.3V on Bottom: 41.2,27.8 44.1,27.8 44.1,25.8 42.4,25.8 42.4,25.2 41.2,25.2
3.3V on Bottom: 80.46,18.73 80.46,18.14 78.84,18.14 78.84,19.46 79.73,19.46
3.3V on In1.Cu: 93.76,8.73 75.04,8.73 75.04,23.33 26.84,23.33 26.84,40.4 22.85,40.4 22.85,49.6 29.7,49.6 29.7,44.64 71.95,44.6 71.95,49.5 93.76,49.5
GND on Top: 99.86,-0.06 -0.06,-0.06 -0.06,94.66 99.86,94.66
GND on Bottom: 99.86,-0.06 -0.06,-0.06 -0.06,94.66 99.86,94.66
GND on In1.Cu: 99.86,-0.07 -0.06,-0.07 -0.06,94.66 99.86,94.66
GND on In2.Cu: 99.86,-0.07 -0.06,-0.07 -0.06,94.66 99.86,94.66
VBUS on Bottom: 33.2,64.9 30.9,64.9 30.9,67.9 33.2,67.9
VBUS on Bottom: 12.95,59.6 10.6,59.6 10.6,62.63 12.95,62.63
VBUS on Bottom: 12.16,28.8 8,28.8 8,31.4 12.16,31.4
VBUS on Bottom: 55.61,66 54.3,66 54.3,67.6 53.14,67.6 53.14,68.7 55.61,68.7
VBUS on Bottom: 75.56,57.02 73.22,57.02 73.22,60.22 75.56,60.22
VBUS on In1.Cu: 48.5,85.2 49.8,85.2 49.8,82.1 65.1,82.1 76.2,71 76.2,57.03 72.95,57.03 72.95,59.55 10.75,59.55 10.74,28.83 3.94,28.83 3.94,78.96 45.04,78.96 45.04,85.2 46.24,85.2 46.24,89.96 48.46,89.96
VBUSP on Top: 80.83,7.39 79.9,7.39 79.9,10.01 80.83,10.01
VBUSP on Bottom: 60.9,20.7 62.2,20.7 62.2,22.4 62.6,22.4 62.6,20.7 63.5,20.7 63.5,19.1 60.9,19.1
VBUSP on Bottom: 36.3,20.7 37.6,20.7 37.6,22.4 38,22.4 38,20.7 38.9,20.7 38.9,19.1 36.3,19.1
VBUSP on Bottom: 48.6,20.7 49.9,20.7 49.9,22.4 50.3,22.4 50.3,20.7 51.2,20.7 51.2,19.1 48.6,19.1
VBUSP on Bottom: 16,43.9 18.1,43.9 18.1,41 16.2,41 16.2,40.6 12.4,40.6 12.4,47 16,47
VBUSP on In1.Cu: 18.4,41.3 22.75,41.3 22.75,40.15 26.45,40.15 26.45,22.3 61.4,22.3 75.4,8.3 79.4,8.3 79.4,10.3 81.4,10.3 81.4,5.3 64.4,5.3 53.4,16.3 20.45,16.3 20.45,36.3 17.4,36.3 12.4,41.3 12.4,44.3 15.4,44.3
(no net) on Top: 47.21,49.2 45.9,47.89 42.29,51.5 43.6,52.81
(no net) on Top: 53.9,43.6 50.4,40.1 49.8,40.7 53.3,44.2
(no net) on Top: 44.4,46.3 43.8,45.7 40.1,49.4 40.7,50
(no net) on Top: 52.91,56.1 49.3,52.49 47.99,53.8 51.6,57.41
(no net) on Top: 50,58.9 46.5,55.4 45.9,56 49.4,59.5
(no net) on Top: 57.51,48.1 56.2,46.79 52.57,50.42 53.88,51.73
(no net) on Top: 51.81,45.8 48.2,42.19 46.89,43.5 50.5,47.11
(no net) on Top: 59.6,50.2 59,49.6 55.4,53.2 56,53.8
(no net) on Bottom: 56.54,49.05 55.25,47.76 53.56,49.45 54.85,50.74
(no net) on Bottom: 34.2,73.9 31.6,73.9 31.6,77.4 34.2,77.4
(no net) on Bottom: 14.33,62.83 10.6,62.83 10.6,67.4 14.33,67.4
(no net) on Bottom: 76.5,66.2 73.9,66.2 73.9,69.7 76.5,69.7
(no net) on Bottom: 53.3,60.45 54.55,60.45 54.55,59.65 53.3,59.65 53.3,58.2 52.15,58.2 52.15,59.65 50.4,59.65 50.4,62.4 53.3,62.4
(no net) on Bottom: 31.9,49.1 33.15,49.1 33.15,46.8 30.05,46.8 30.05,47.7 28.65,47.7 28.65,49.1 31.1,49.1 31.1,50.3 31.9,50.3
(no net) on Bottom: 34.7,68.1 30.9,68.1 30.9,72.7 34.7,72.7
(no net) on Bottom: 39.05,53.4 37.75,53.4 37.75,51.15 33.35,51.15 33.35,53.5 31.45,53.55 31.45,55.05 39.05,55.05
(no net) on Bottom: 35.05,42.7 36.3,42.7 36.3,41.8 30.7,41.8 30.7,44 35.05,44
(no net) on Bottom: 68.1,54.65 69.35,54.65 69.35,53.75 68.1,53.75 68.1,53.55 63.7,53.55 63.7,55.7 68.1,55.7
(no net) on Bottom: 73.7,66.1 71.4,66.1 71.4,73.1 73.7,73.1
(no net) on Bottom: 56.4,74.7 53.8,74.7 53.8,78.2 56.4,78.2
(no net) on Bottom: 13.7,68.6 11.3,68.6 11.3,72.1 13.7,72.1
(no net) on Bottom: 11.1,69 8.5,69 8.5,76.5 11.1,76.5
(no net) on Bottom: 56.9,68.9 53.1,68.9 53.1,73.5 56.9,73.5
(no net) on Bottom: 38.35,44.35 39.7,44.35 39.7,43 37.3,43 37.3,41.8 36.5,41.8 36.5,43 35.35,43 35.35,45.3 38.35,45.3
(no net) on Bottom: 35.05,38.6 37,38.6 37,37.35 35.65,37.35 35.65,36.5 29.15,36.5 29.15,38.6 30.75,38.6 30.75,41.1 35.05,41.1
(no net) on Bottom: 54.55,54.1 52.25,54.1 52.25,57.9 53.45,57.9 53.45,59.45 54.55,59.45
(no net) on Bottom: 37.8,48 33.95,48 33.95,49.4 32.1,49.4 32.1,50.3 37.8,50.3
(no net) on Bottom: 69.65,58.05 70.35,58.05 70.35,53.75 69.55,53.75 69.55,54.95 68.35,54.95 68.35,59.5 69.65,59.5
(no net) on Bottom: 60.15,52.05 57.95,52.05 57.95,53.6 55.35,53.6 55.35,57 57.95,57 57.95,59.8 59.1,59.8 59.1,58.45 60.15,58.45
(no net) on Bottom: 77,60.45 73.2,60.45 73.2,65 77,65
(no net) on Bottom: 53.6,73.8 51.5,73.8 51.5,76.9 53.6,76.9
(no net) on Bottom: 68.1,50.3 70.05,50.3 70.05,48.85 62.2,48.85 62.2,50.3 62.8,50.3 62.8,52.6 68.1,52.6
(no net) on Bottom: 31.4,73.8 29.3,73.8 29.3,80.1 31.4,80.1
(no net) on Bottom: 53.6,81.5 53.6,75.4 51.55,75.4 51.55,81.5
(no net) on Bottom, In1.Cu: 31.5,58.15 28.4,58.15 28.4,59.75 31.5,59.75
(no net) on In1.Cu: 71.95,59.25 71.95,57.55 70.55,57.55 70.55,54.95 68.9,54.95 68.9,57.55 66.45,57.55 61.5,52.6 60.05,51.15 58.9,51.15 56.95,53.1 56.2,53.1 54.85,51.75 54.85,50.75 56.55,49.05 55.25,47.75 53.25,49.75 53.25,52.65 55.55,54.95 58.2,54.95 59.25,53.9 59.8,53.9 65.25,59.35
(no net) on In1.Cu: 59.3,50.5 60.4,50.5 62.5,52.6 68,52.6 68,49.6 59,49.6 56.2,52.4 56.8,53
(no net) on In1.Cu: 51.55,58.35 60.15,58.35 60.15,53.9 59.35,53.9 59.35,54.45 56.95,56.85 51.15,56.85 50.15,57.85 48.95,57.85 46.5,55.4 45.9,56 49.4,59.5 50.4,59.5
(no net) on In1.Cu: 50.84,44.85 49.15,43.16 47.86,44.45 49.55,46.14
(no net) on In1.Cu: 73.7,66.1 71.4,66.1 71.4,68.4 73.7,68.4
(no net) on In1.Cu: 53.6,75.4 51.5,75.4 51.5,76.9 53.6,76.9
(no net) on In1.Cu: 50,62.6 52.4,62.6 52.4,61.3 50,61.3 50,60.2 45.5,55.9 46.4,55 49.3,55 50.65,56.35 51.85,55.15 50.5,53.8 45.8,53.8 44.3,55.3 44.3,56.5 48.4,60.6 48.4,67.6 50,67.6
(no net) on In1.Cu: 53.25,42.95 51.55,41.25 51.55,37.45 49.35,35.25 35.7,35.25 33.35,37.6 33.35,41 35.05,41 35.05,38.45 36.4,37.1 48.25,37.1 49.8,38.65 49.8,40.7 52.65,43.55
(no net) on In1.Cu: 38.5,50 40.7,50 43.5,47.2 42.9,46.6 41.05,48.45 37.4,48.45 34.65,51.2 33.3,51.2 33.3,53 35.5,53
MAG_PWR on Bottom: 81.6,45.3 78.9,45.3 78.9,45.8 77.7,45.8 77.7,49.4 81.6,49.4
MT_X_OUT_A on Top, Bottom: 35.7,23 35.2,22.5 34.2,22.5 34.2,23.1 34.6,23.5 35.7,23.5
MT_Y_OUT_A on Top, Bottom: 48,23 47.5,22.5 46.7,22.5 46.7,23.1 47.1,23.5 48,23.5
MT_Z_OUT_A on Top, Bottom: 60.3,23 59.8,22.5 59,22.5 59,23.1 59.4,23.5 60.3,23.5
Net-(L3-Pad1) on Bottom: 21.65,45.05 19.15,45.05 19.15,45.95 21.65,45.95
Net-(Q26-S) on Bottom: 14.5,37 10.7,37 10.7,40.4 14.5,40.4
Net-(U3-SENSEA) on Top, Bottom: 32.5,21.1 30.4,21.1 30.4,22.7 32.5,22.7
Net-(U3-TOFF) on Bottom: 33.7,25.5 35.5,25.5 35.5,26.9 36.5,26.9 36.5,24.1 33.7,24.1
Net-(U16-SENSEA) on Top, Bottom: 44.6,21.1 42.7,21.1 42.7,22.7 44.6,22.7
Net-(U16-TOFF) on Bottom: 46,25.5 47.8,25.5 47.8,26.9 48.8,26.9 48.8,24.1 46,24.1
Net-(U22-SENSEA) on Top, Bottom: 57.1,21.1 55,21.1 55,22.7 57.1,22.7
Net-(U22-TOFF) on Bottom: 58.3,25.5 60.1,25.5 60.1,26.9 61.1,26.9 61.1,24.1 58.3,24.1
Net-(U30-RS+) on Bottom: 14.4,31.6 10.7,31.6 10.7,35.8 14.4,35.8

## Text on the board
B.Silkscreen: Q4 | Q3 | - | X | + | Y | Z | Q2 | Q1 | 2023-11-21 | OreSat ADCS Card v1.3
User.Comments: Y- | X- | X+ | Y+ | Q3 | Q4 | Q1 | Q2
F.Silkscreen: - | X | + | Y | Z | OreSat ADCS Card v1.3 | 2023-11-21
